# Altium PCB 电解水杯拼版6in1.PcbDoc (part 7 of 9)
Units mm, origin at the board's own origin, x right, y up, seen from the top; angles counter-clockwise.
Board outline 210 x 138 mm, 2 copper layers (Top Layer, Bottom Layer); 750 components, 0 nets, 2092 pads, 2070 vias.
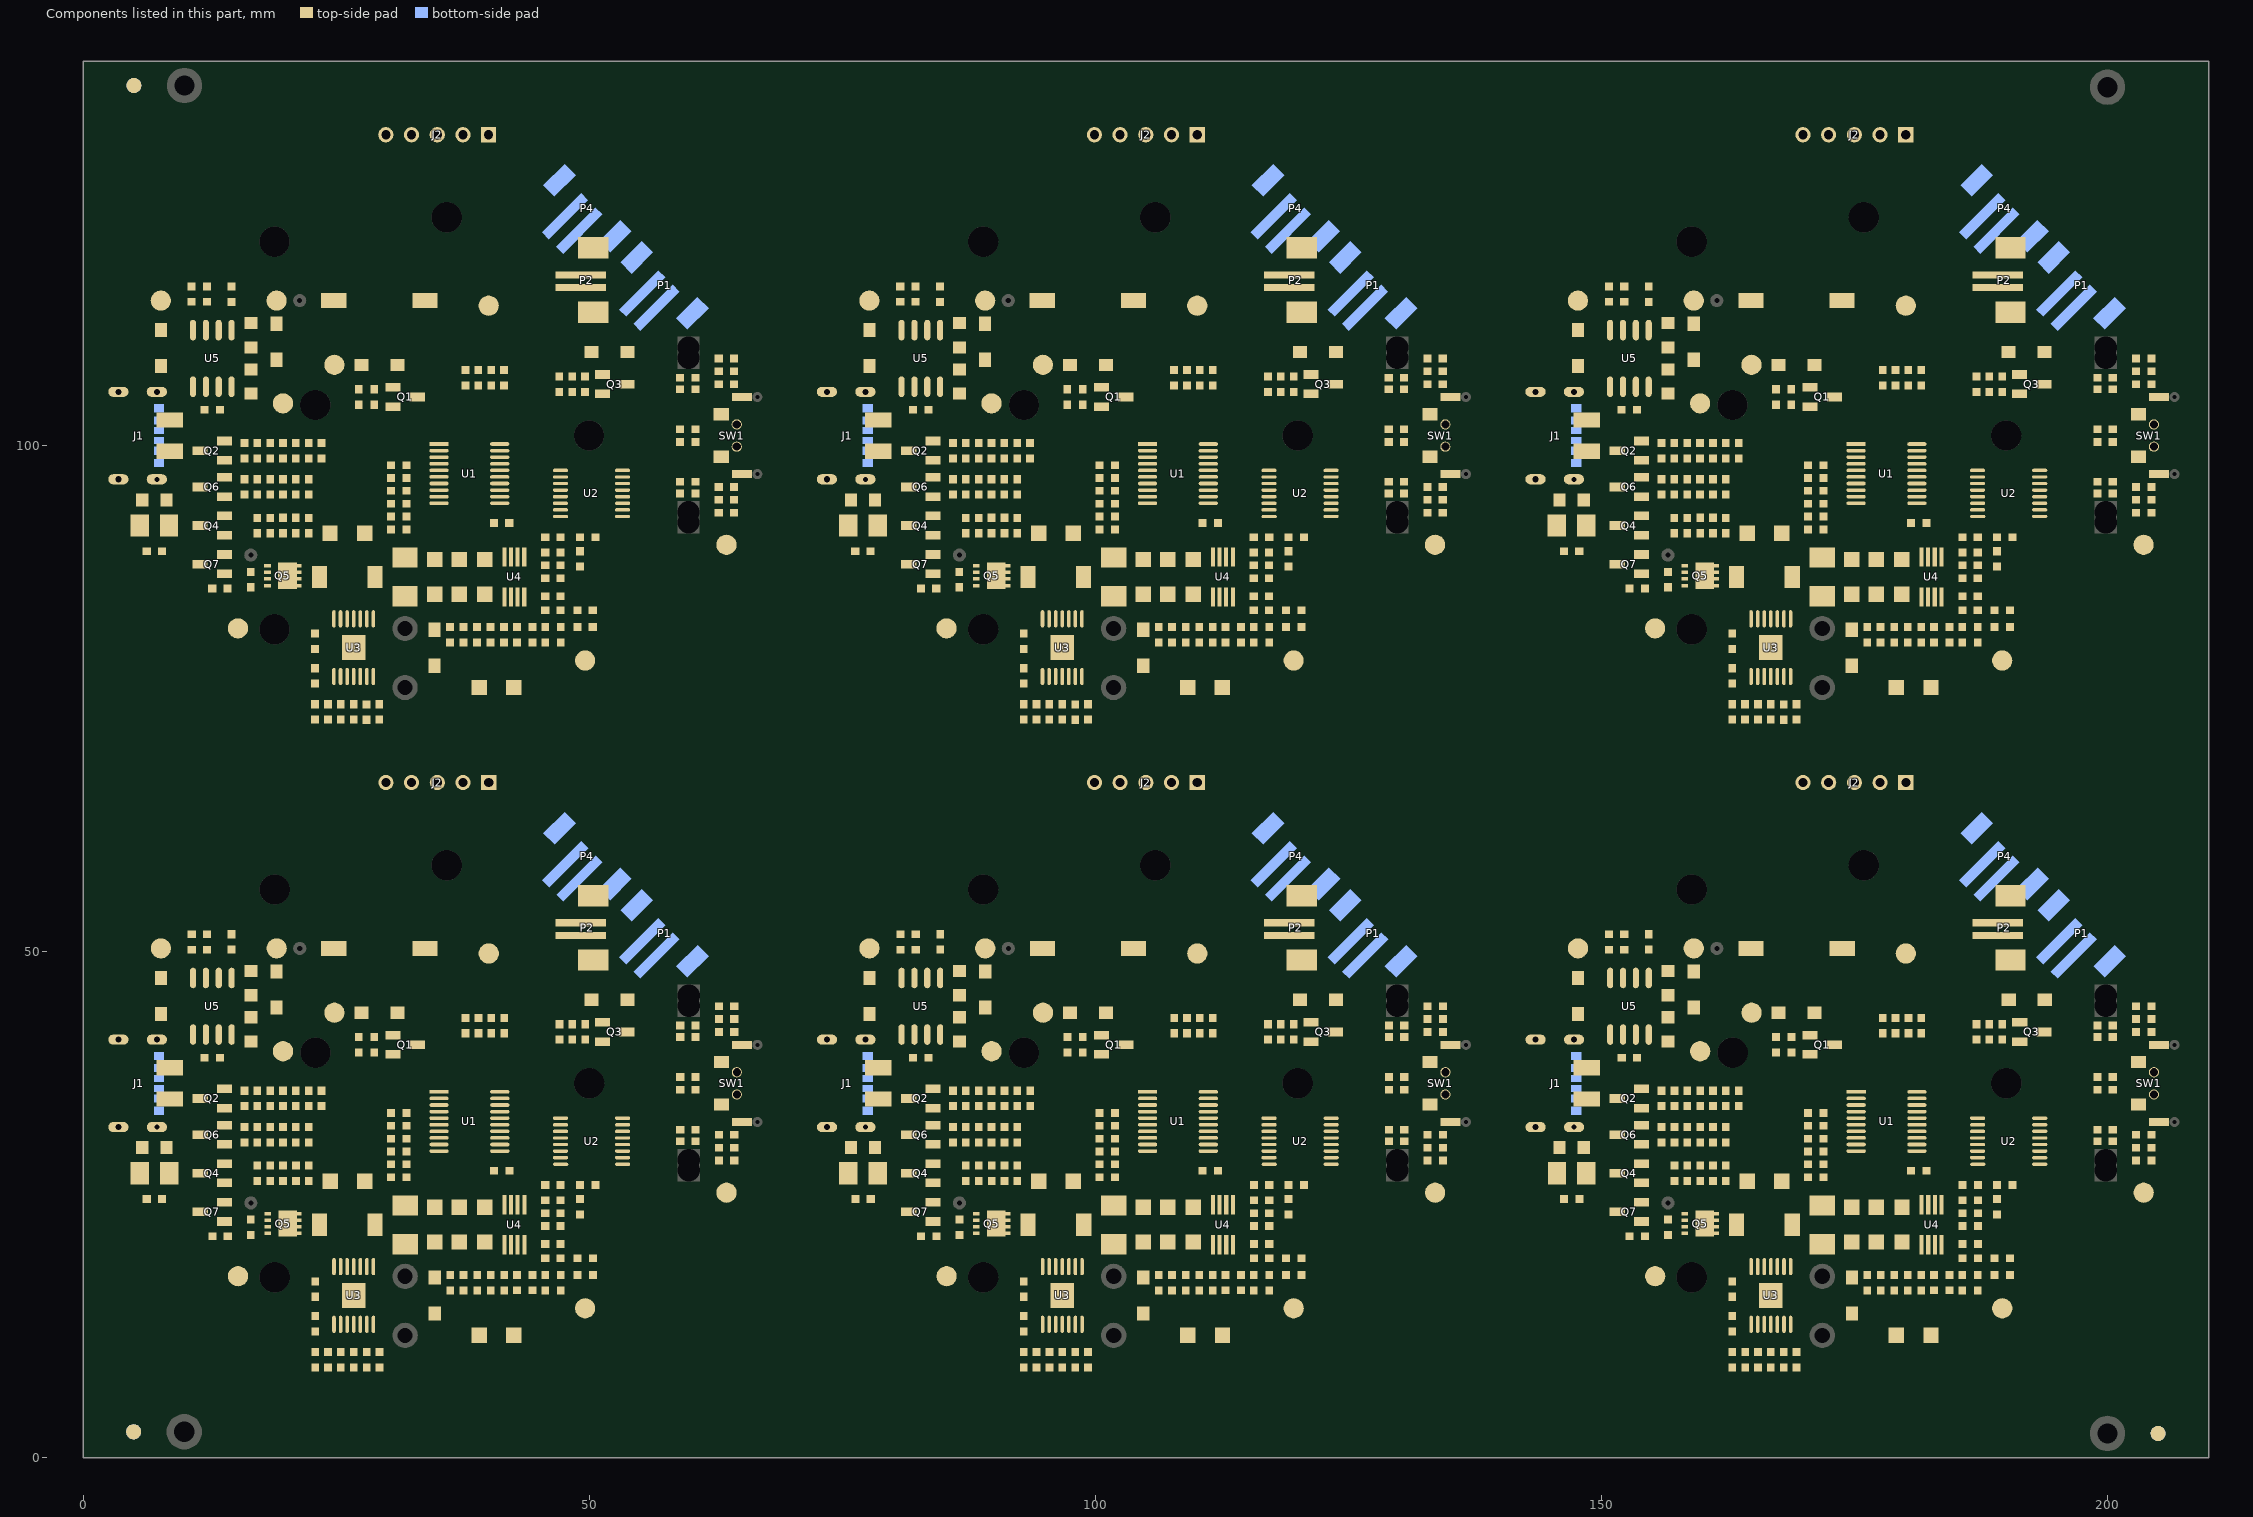
[diagram p7: the components of this part, seen from the top]

## Via types
v1: diameter 0.6, hole 0.3, Top Layer to Bottom Layer, 1968 vias
v2: diameter 0.8, hole 0.4, Top Layer to Bottom Layer, 102 vias

## Nets (pads, with @x,y where several pads share a name; then routed paths per layer and width w, separated by ;. In a path a pad name is that pad's centre, name@x,y a point inside that pad or via, vN(x,y) a via of type N, cw(c..) or ccw(c..) an arc to the next point about the centre after c; other vN are vias at no path point) (continued)
copper on no net: (continued)
  Top Layer w0.5: v2(5.401,111.414) 7.687,111.414 ; v2(5.407,47.414) 7.693,47.414 ; 6.835,111.414 ccw(c6.835,112.273) 7.442,111.665 ; 6.84,47.414 ccw(c6.84,48.273) 7.448,47.665 ; 6.854,111.414 cw(c6.854,110.583) 7.442,111.171 ; 6.86,47.414 cw(c6.86,46.583) 7.448,47.171 ; 7.157,113.805 cw(c5.876,112.524) 7.687,112.524 cw(c9.498,112.524) 8.217,113.805 ; 7.162,49.805 cw(c5.882,48.524) 7.693,48.524 cw(c9.503,48.524) 8.223,49.805 ; 7.442,111.765 ccw(c6.851,112.357) 7.687,112.357 ; 7.448,47.765 ccw(c6.856,48.357) 7.693,48.357 ; 7.687,112.369 ccw(c8.54,112.369) 7.937,111.765 ; 7.687,114.335 7.687,111.414 ; 7.693,48.369 ccw(c8.546,48.369) 7.942,47.765 ; 7.693,50.335 7.693,47.414 ; 7.937,111.171 cw(c8.525,110.583) 8.525,111.414 ; 7.937,111.665 ccw(c8.544,112.273) 8.544,111.414 ; 7.942,47.171 cw(c8.53,46.583) 8.53,47.414 ; 7.942,47.665 ccw(c8.55,48.273) 8.55,47.414 ; 8.005,94.368 cw(c7.407,93.77) 8.252,93.77 cw(c9.097,93.77) 8.5,94.368 ; 8.01,30.368 cw(c7.413,29.77) 8.258,29.77 cw(c9.103,29.77) 8.505,30.368 ; 8.042,92.77 ccw(c7.536,93.276) 8.252,93.276 ccw(c9.468,93.276) 8.608,92.416 ; 8.048,28.77 ccw(c7.542,29.276) 8.258,29.276 ccw(c9.473,29.276) 8.614,28.416 ; 8.077,94.312 cw(c7.713,93.681) 8.416,93.87 ; 8.083,30.312 cw(c7.718,29.681) 8.422,29.87 ; 8.252,92.36 8.252,94.65 ; 8.252,94.483 ccw(c10.675,94.483) 8.962,92.77 ; 8.258,28.36 8.258,30.65 ; 8.258,30.483 ccw(c10.68,30.483) 8.967,28.77 ; 8.459,93.71 cw(c9.388,93.959) 8.555,94.44 ; 8.465,29.71 cw(c9.394,29.959) 8.561,30.44 ; 8.502,92.11 10.227,92.11 ; 8.508,28.11 10.233,28.11 ; 8.58,99.476 11.567,99.476 ; 8.585,35.476 11.573,35.476 ; 8.962,91.65 cw(c10.071,90.541) 10.071,92.11 cw(c10.071,93.679) 8.962,92.57 ; 8.967,27.65 cw(c10.077,26.541) 10.077,28.11 cw(c10.077,29.679) 8.967,28.57 ; 9.457,99.096 cw(c10.374,98.18) 10.374,99.476 ; 9.457,99.804 ccw(c10.248,100.594) 10.248,99.476 ; 9.463,35.096 cw(c10.379,34.18) 10.379,35.476 ; 9.463,35.804 ccw(c10.254,36.594) 10.254,35.476 ; v2(10.227,85.056) 10.227,92.11 ; v2(10.233,21.056) 10.233,28.11 ; 10.735,99.476 ccw(c10.735,100.018) 11.118,99.635 ; 10.741,35.476 ccw(c10.741,36.018) 11.124,35.635 ; 10.812,92.11 ccw(c10.812,92.546) 11.121,92.238 ; 10.818,28.11 ccw(c10.818,28.546) 11.126,28.238 ; 10.862,111.414 7.687,111.414 ; 10.868,47.414 7.693,47.414 ; 11.567,92.11 10.227,92.11 ; 11.573,28.11 10.233,28.11 ; 13.402,102.651 13.402,105.826 13.402,107.35 ; 13.402,102.963 cw(c14.087,102.963) 13.603,103.447 ; 13.402,104.117 ccw(c14.087,104.117) 13.603,103.633 ; 13.408,38.651 13.408,41.826 13.408,43.35 ; 13.408,38.963 cw(c14.093,38.963) 13.608,39.447 ; 13.408,40.117 ccw(c14.093,40.117) 13.608,39.633 ; 14.155,92.872 v1(15.942,92.872) 17.212,92.872 ; 14.161,28.872 v1(15.948,28.872) 17.218,28.872 ; 18.482,96.682 v1(18.482,97.698) ; 18.482,98.749 19.752,98.749 v1(19.752,97.698) ; 18.482,100.238 18.482,100.273 v1(18.482,102.524) ; 18.488,32.682 v1(18.488,33.698) ; 18.488,34.749 19.758,34.749 v1(19.758,33.698) ; 18.488,36.238 18.488,36.273 v1(18.488,38.524) ; 22.292,92.872 21.022,92.872 21.022,95.158 22.292,95.158 v1(23.562,95.158) ; v1(22.292,97.698) 22.292,98.749 ; 22.298,28.872 21.028,28.872 21.028,31.158 22.298,31.158 v1(23.568,31.158) ; v1(22.298,33.698) 22.298,34.749 ; 22.927,78.013 21.657,78.013 ; 22.927,79.918 v1(24.832,79.918) ; 22.933,14.013 21.662,14.013 ; 22.933,15.918 v1(24.838,15.918) ; 24.705,83.22 22.165,83.22 21.657,82.712 21.657,78.013 ; 24.711,19.22 22.171,19.22 21.662,18.712 21.662,14.013 ; 25.467,72.934 25.467,71.156 ; 25.472,8.934 25.472,7.156 ; 26.737,72.934 26.737,71.156 ; 26.742,8.934 26.742,7.156 ; 28.007,71.156 28.007,72.922 ; 28.013,7.156 28.013,8.922 ; 28.769,104.048 30.429,104.048 ; 28.775,40.048 30.435,40.048 ; 29.277,72.934 29.277,71.156 ; 29.277,96.809 30.42,96.809 30.42,95.539 30.42,94.269 ; 29.282,8.934 29.282,7.156 ; 29.283,32.809 30.426,32.809 30.426,31.539 30.426,30.269 ; 29.416,104.048 cw(c29.416,102.984) 30.168,103.736 ; 29.421,40.048 cw(c29.421,38.984) 30.174,39.736 ; 31.055,107.985 32.89,107.985 ; 31.061,43.985 32.896,43.985 ; 31.403,107.738 cw(c32,107.14) 32,107.985 cw(c32,108.83) 31.403,108.232 ; 31.408,43.738 cw(c32.006,43.14) 32.006,43.985 cw(c32.006,44.83) 31.408,44.232 ; 31.944,92.999 v1(33.595,92.999) ; 31.944,94.269 31.944,95.539 ; 31.95,28.999 v1(33.601,28.999) ; 31.95,30.269 31.95,31.539 ; 33.017,104.81 33.017,113.575 ; 33.017,112.5 cw(c35.112,112.5) 33.631,113.981 ; 33.017,113.532 cw(c33.322,113.532) 33.305,113.836 ; 33.023,40.81 33.023,49.575 ; 33.023,48.5 cw(c35.117,48.5) 33.636,49.981 ; 33.023,49.532 cw(c33.327,49.532) 33.31,49.836 ; 34.986,81.676 cw(c35.955,80.706) 35.955,82.077 ; 34.991,17.676 cw(c35.96,16.706) 35.96,18.077 ; 34.992,82.077 36.262,82.077 37.596,82.077 ; 34.998,18.077 36.268,18.077 37.601,18.077 ; v1(40.263,79.41) 40.263,80.553 ; v1(40.268,15.41) 40.268,16.553 ; 44.39,80.553 v1(44.39,79.41) 44.39,72.172 43.374,71.156 29.277,71.156 ; 44.396,16.553 v1(44.396,15.41) 44.396,8.172 43.379,7.156 29.282,7.156 ; v2(44.517,85.056) 45.59,85.056 ; v2(44.522,21.056) 45.595,21.056 ; 45.156,85.056 ccw(c45.156,85.611) 45.548,85.218 ; 45.161,21.056 ccw(c45.161,21.611) 45.554,21.218 ; v1(45.406,109.255) 50.232,109.255 ; v1(45.412,45.255) 50.238,45.255 ; 45.66,83.729 45.66,85.126 ; 45.665,19.729 45.665,21.126 ; 47.184,83.856 47.184,85.126 v1(48.073,85.126) ; 47.189,19.856 47.189,21.126 v1(48.078,21.126) ; 49.885,109.008 ccw(c49.287,108.41) 49.287,109.255 ccw(c49.287,110.1) 49.885,109.502 ; 49.89,45.008 ccw(c49.293,44.41) 49.293,45.255 ccw(c49.293,46.1) 49.89,45.502 ; 53.541,109.008 cw(c52.943,108.41) 53.788,108.41 cw(c54.633,108.41) 54.036,109.008 ; 53.546,45.008 cw(c52.949,44.41) 53.794,44.41 cw(c54.639,44.41) 54.041,45.008 ; 53.594,106.204 ccw(c53.127,106.671) 53.788,106.671 ; 53.6,42.204 ccw(c53.132,42.671) 53.794,42.671 ; 53.788,106.08 v1(53.788,107.35) 53.788,108.874 ; 53.794,42.08 v1(53.794,43.35) 53.794,44.874 ; v2(75.401,111.414) 77.687,111.414 ; v2(75.407,47.414) 77.693,47.414 ; 76.835,111.414 ccw(c76.835,112.273) 77.442,111.665 ; 76.84,47.414 ccw(c76.84,48.273) 77.448,47.665 ; 76.854,111.414 cw(c76.854,110.583) 77.442,111.171 ; 76.86,47.414 cw(c76.86,46.583) 77.448,47.171 ; 77.157,113.805 cw(c75.876,112.524) 77.687,112.524 cw(c79.498,112.524) 78.217,113.805 ; 77.162,49.805 cw(c75.882,48.524) 77.693,48.524 cw(c79.503,48.524) 78.223,49.805 ; 77.442,111.765 ccw(c76.851,112.357) 77.687,112.357 ; 77.448,47.765 ccw(c76.856,48.357) 77.693,48.357 ; 77.687,112.369 ccw(c78.54,112.369) 77.937,111.765 ; 77.687,114.335 77.687,111.414 ; 77.693,48.369 ccw(c78.546,48.369) 77.942,47.765 ; 77.693,50.335 77.693,47.414 ; 77.937,111.171 cw(c78.525,110.583) 78.525,111.414 ; 77.937,111.665 ccw(c78.544,112.273) 78.544,111.414 ; 77.942,47.171 cw(c78.53,46.583) 78.53,47.414 ; 77.942,47.665 ccw(c78.55,48.273) 78.55,47.414 ; 78.005,94.368 cw(c77.407,93.77) 78.252,93.77 cw(c79.097,93.77) 78.5,94.368 ; 78.01,30.368 cw(c77.413,29.77) 78.258,29.77 cw(c79.103,29.77) 78.505,30.368 ; 78.042,92.77 ccw(c77.536,93.276) 78.252,93.276 ccw(c79.468,93.276) 78.608,92.416 ; 78.048,28.77 ccw(c77.542,29.276) 78.258,29.276 ccw(c79.473,29.276) 78.614,28.416 ; 78.077,94.312 cw(c77.713,93.681) 78.416,93.87 ; 78.083,30.312 cw(c77.718,29.681) 78.422,29.87 ; 78.252,92.36 78.252,94.65 ; 78.252,94.483 ccw(c80.675,94.483) 78.962,92.77 ; 78.258,28.36 78.258,30.65 ; 78.258,30.483 ccw(c80.68,30.483) 78.967,28.77 ; 78.459,93.71 cw(c79.388,93.959) 78.555,94.44 ; 78.465,29.71 cw(c79.394,29.959) 78.561,30.44 ; 78.502,92.11 80.227,92.11 ; 78.508,28.11 80.233,28.11 ; 78.58,99.476 81.567,99.476 ; 78.585,35.476 81.573,35.476 ; 78.962,91.65 cw(c80.071,90.541) 80.071,92.11 cw(c80.071,93.679) 78.962,92.57 ; 78.967,27.65 cw(c80.077,26.541) 80.077,28.11 cw(c80.077,29.679) 78.967,28.57 ; 79.457,99.096 cw(c80.374,98.18) 80.374,99.476 ; 79.457,99.804 ccw(c80.248,100.594) 80.248,99.476 ; 79.463,35.096 cw(c80.379,34.18) 80.379,35.476 ; 79.463,35.804 ccw(c80.254,36.594) 80.254,35.476 ; v2(80.227,85.056) 80.227,92.11 ; v2(80.233,21.056) 80.233,28.11 ; 80.735,99.476 ccw(c80.735,100.018) 81.118,99.635 ; 80.741,35.476 ccw(c80.741,36.018) 81.124,35.635 ; 80.812,92.11 ccw(c80.812,92.546) 81.121,92.238 ; 80.818,28.11 ccw(c80.818,28.546) 81.126,28.238 ; 80.862,111.414 77.687,111.414 ; 80.868,47.414 77.693,47.414 ; 81.567,92.11 80.227,92.11 ; 81.573,28.11 80.233,28.11 ; 83.402,102.651 83.402,105.826 83.402,107.35 ; 83.402,102.963 cw(c84.087,102.963) 83.603,103.447 ; 83.402,104.117 ccw(c84.087,104.117) 83.603,103.633 ; 83.408,38.651 83.408,41.826 83.408,43.35 ; 83.408,38.963 cw(c84.093,38.963) 83.608,39.447 ; 83.408,40.117 ccw(c84.093,40.117) 83.608,39.633 ; 84.155,92.872 v1(85.942,92.872) 87.212,92.872 ; 84.161,28.872 v1(85.948,28.872) 87.218,28.872 ; 88.482,96.682 v1(88.482,97.698) ; 88.482,98.749 89.752,98.749 v1(89.752,97.698) ; 88.482,100.238 88.482,100.273 v1(88.482,102.524) ; 88.488,32.682 v1(88.488,33.698) ; 88.488,34.749 89.758,34.749 v1(89.758,33.698) ; 88.488,36.238 88.488,36.273 v1(88.488,38.524) ; 92.292,92.872 91.022,92.872 91.022,95.158 92.292,95.158 v1(93.562,95.158) ; v1(92.292,97.698) 92.292,98.749 ; 92.298,28.872 91.028,28.872 91.028,31.158 92.298,31.158 v1(93.568,31.158) ; v1(92.298,33.698) 92.298,34.749 ; 92.927,78.013 91.657,78.013 ; 92.927,79.918 v1(94.832,79.918) ; 92.933,14.013 91.662,14.013 ; 92.933,15.918 v1(94.838,15.918) ; 94.705,83.22 92.165,83.22 91.657,82.712 91.657,78.013 ; 94.711,19.22 92.171,19.22 91.662,18.712 91.662,14.013 ; 95.467,72.934 95.467,71.156 ; 95.472,8.934 95.472,7.156 ; 96.737,72.934 96.737,71.156 ; 96.742,8.934 96.742,7.156 ; 98.007,71.156 98.007,72.922 ; 98.013,7.156 98.013,8.922 ; 98.769,104.048 100.429,104.048 ; 98.775,40.048 100.435,40.048 ; 99.277,72.934 99.277,71.156 ; 99.277,96.809 100.42,96.809 100.42,95.539 100.42,94.269 ; 99.282,8.934 99.282,7.156 ; 99.283,32.809 100.426,32.809 100.426,31.539 100.426,30.269 ; 99.416,104.048 cw(c99.416,102.984) 100.168,103.736 ; 99.421,40.048 cw(c99.421,38.984) 100.174,39.736 ; 101.055,107.985 102.89,107.985 ; 101.061,43.985 102.896,43.985 ; 101.403,107.738 cw(c102,107.14) 102,107.985 cw(c102,108.83) 101.403,108.232 ; 101.408,43.738 cw(c102.006,43.14) 102.006,43.985 cw(c102.006,44.83) 101.408,44.232 ; 101.944,92.999 v1(103.595,92.999) ; 101.944,94.269 101.944,95.539 ; 101.95,28.999 v1(103.601,28.999) ; 101.95,30.269 101.95,31.539 ; 103.017,104.81 103.017,113.575 ; 103.017,112.5 cw(c105.112,112.5) 103.631,113.981 ; 103.017,113.532 cw(c103.322,113.532) 103.305,113.836 ; 103.023,40.81 103.023,49.575 ; 103.023,48.5 cw(c105.117,48.5) 103.636,49.981 ; 103.023,49.532 cw(c103.327,49.532) 103.31,49.836 ; 104.986,81.676 cw(c105.955,80.706) 105.955,82.077 ; 104.991,17.676 cw(c105.96,16.706) 105.96,18.077 ; 104.992,82.077 106.262,82.077 107.596,82.077 ; 104.998,18.077 106.268,18.077 107.601,18.077 ; v1(110.263,79.41) 110.263,80.553 ; v1(110.268,15.41) 110.268,16.553 ; 114.39,80.553 v1(114.39,79.41) 114.39,72.172 113.374,71.156 99.277,71.156 ; 114.396,16.553 v1(114.396,15.41) 114.396,8.172 113.379,7.156 99.282,7.156 ; v2(114.517,85.056) 115.59,85.056 ; v2(114.522,21.056) 115.595,21.056 ; 115.156,85.056 ccw(c115.156,85.611) 115.548,85.218 ; 115.161,21.056 ccw(c115.161,21.611) 115.554,21.218 ; v1(115.406,109.255) 120.232,109.255 ; v1(115.412,45.255) 120.238,45.255 ; 115.66,83.729 115.66,85.126 ; 115.665,19.729 115.665,21.126 ; 117.184,83.856 117.184,85.126 v1(118.073,85.126) ; 117.189,19.856 117.189,21.126 v1(118.078,21.126) ; 119.885,109.008 ccw(c119.287,108.41) 119.287,109.255 ccw(c119.287,110.1) 119.885,109.502 ; 119.89,45.008 ccw(c119.293,44.41) 119.293,45.255 ccw(c119.293,46.1) 119.89,45.502 ; 123.541,109.008 cw(c122.943,108.41) 123.788,108.41 cw(c124.633,108.41) 124.036,109.008 ; 123.546,45.008 cw(c122.949,44.41) 123.794,44.41 cw(c124.639,44.41) 124.041,45.008 ; 123.594,106.204 ccw(c123.127,106.671) 123.788,106.671 ; 123.6,42.204 ccw(c123.132,42.671) 123.794,42.671 ; 123.788,106.08 v1(123.788,107.35) 123.788,108.874 ; 123.794,42.08 v1(123.794,43.35) 123.794,44.874 ; v2(145.401,111.414) 147.687,111.414 ; v2(145.407,47.414) 147.693,47.414 ; 146.835,111.414 ccw(c146.835,112.273) 147.442,111.665 ; 146.84,47.414 ccw(c146.84,48.273) 147.448,47.665 ; 146.854,111.414 cw(c146.854,110.583) 147.442,111.171 ; 146.86,47.414 cw(c146.86,46.583) 147.448,47.171 ; 147.157,113.805 cw(c145.876,112.524) 147.687,112.524 cw(c149.498,112.524) 148.217,113.805 ; 147.162,49.805 cw(c145.882,48.524) 147.693,48.524 cw(c149.503,48.524) 148.223,49.805 ; 147.442,111.765 ccw(c146.851,112.357) 147.687,112.357 ; 147.448,47.765 ccw(c146.856,48.357) 147.693,48.357 ; 147.687,112.369 ccw(c148.54,112.369) 147.937,111.765 ; 147.687,114.335 147.687,111.414 ; 147.693,48.369 ccw(c148.546,48.369) 147.942,47.765 ; 147.693,50.335 147.693,47.414 ; 147.937,111.171 cw(c148.525,110.583) 148.525,111.414 ; 147.937,111.665 ccw(c148.544,112.273) 148.544,111.414 ; 147.942,47.171 cw(c148.53,46.583) 148.53,47.414 ; 147.942,47.665 ccw(c148.55,48.273) 148.55,47.414 ; 148.005,94.368 cw(c147.407,93.77) 148.252,93.77 cw(c149.097,93.77) 148.5,94.368 ; 148.01,30.368 cw(c147.413,29.77) 148.258,29.77 cw(c149.103,29.77) 148.505,30.368 ; 148.042,92.77 ccw(c147.536,93.276) 148.252,93.276 ccw(c149.468,93.276) 148.608,92.416 ; 148.048,28.77 ccw(c147.542,29.276) 148.258,29.276 ccw(c149.473,29.276) 148.614,28.416 ; 148.077,94.312 cw(c147.713,93.681) 148.416,93.87 ; 148.083,30.312 cw(c147.718,29.681) 148.422,29.87 ; 148.252,92.36 148.252,94.65 ; 148.252,94.483 ccw(c150.675,94.483) 148.962,92.77 ; 148.258,28.36 148.258,30.65 ; 148.258,30.483 ccw(c150.68,30.483) 148.967,28.77 ; 148.459,93.71 cw(c149.388,93.959) 148.555,94.44 ; 148.465,29.71 cw(c149.394,29.959) 148.561,30.44 ; 148.502,92.11 150.227,92.11 ; 148.508,28.11 150.233,28.11 ; 148.58,99.476 151.567,99.476 ; 148.585,35.476 151.573,35.476 ; 148.962,91.65 cw(c150.071,90.541) 150.071,92.11 cw(c150.071,93.679) 148.962,92.57 ; 148.967,27.65 cw(c150.077,26.541) 150.077,28.11 cw(c150.077,29.679) 148.967,28.57 ; 149.457,99.096 cw(c150.374,98.18) 150.374,99.476 ; 149.457,99.804 ccw(c150.248,100.594) 150.248,99.476 ; 149.463,35.096 cw(c150.379,34.18) 150.379,35.476 ; 149.463,35.804 ccw(c150.254,36.594) 150.254,35.476 ; v2(150.227,85.056) 150.227,92.11 ; v2(150.233,21.056) 150.233,28.11 ; 150.735,99.476 ccw(c150.735,100.018) 151.118,99.635 ; 150.741,35.476 ccw(c150.741,36.018) 151.124,35.635 ; 150.812,92.11 ccw(c150.812,92.546) 151.121,92.238 ; 150.818,28.11 ccw(c150.818,28.546) 151.126,28.238 ; 150.862,111.414 147.687,111.414 ; 150.868,47.414 147.693,47.414 ; 151.567,92.11 150.227,92.11 ; 151.573,28.11 150.233,28.11 ; 153.402,102.651 153.402,105.826 153.402,107.35 ; 153.402,102.963 cw(c154.087,102.963) 153.603,103.447 ; 153.402,104.117 ccw(c154.087,104.117) 153.603,103.633 ; 153.408,38.651 153.408,41.826 153.408,43.35 ; 153.408,38.963 cw(c154.093,38.963) 153.608,39.447 ; 153.408,40.117 ccw(c154.093,40.117) 153.608,39.633 ; 154.155,92.872 v1(155.942,92.872) 157.212,92.872 ; 154.161,28.872 v1(155.948,28.872) 157.218,28.872 ; 158.482,96.682 v1(158.482,97.698) ; 158.482,98.749 159.752,98.749 v1(159.752,97.698) ; 158.482,100.238 158.482,100.273 v1(158.482,102.524) ; 158.488,32.682 v1(158.488,33.698) ; 158.488,34.749 159.758,34.749 v1(159.758,33.698) ; 158.488,36.238 158.488,36.273 v1(158.488,38.524) ; 162.292,92.872 161.022,92.872 161.022,95.158 162.292,95.158 v1(163.562,95.158) ; v1(162.292,97.698) 162.292,98.749 ; 162.298,28.872 161.028,28.872 161.028,31.158 162.298,31.158 v1(163.568,31.158) ; v1(162.298,33.698) 162.298,34.749 ; 162.927,78.013 161.657,78.013 ; 162.927,79.918 v1(164.832,79.918) ; 162.933,14.013 161.662,14.013 ; 162.933,15.918 v1(164.838,15.918) ; 164.705,83.22 162.165,83.22 161.657,82.712 161.657,78.013 ; 164.711,19.22 162.171,19.22 161.662,18.712 161.662,14.013 ; 165.467,72.934 165.467,71.156 ; 165.472,8.934 165.472,7.156 ; 166.737,72.934 166.737,71.156 ; 166.742,8.934 166.742,7.156 ; 168.007,71.156 168.007,72.922 ; 168.013,7.156 168.013,8.922 ; 168.769,104.048 170.429,104.048 ; 168.775,40.048 170.435,40.048 ; 169.277,72.934 169.277,71.156 ; 169.277,96.809 170.42,96.809 170.42,95.539 170.42,94.269 ; 169.282,8.934 169.282,7.156 ; 169.283,32.809 170.426,32.809 170.426,31.539 170.426,30.269 ; 169.416,104.048 cw(c169.416,102.984) 170.168,103.736 ; 169.421,40.048 cw(c169.421,38.984) 170.174,39.736 ; 171.055,107.985 172.89,107.985 ; 171.061,43.985 172.896,43.985 ; 171.403,107.738 cw(c172,107.14) 172,107.985 cw(c172,108.83) 171.403,108.232 ; 171.408,43.738 cw(c172.006,43.14) 172.006,43.985 cw(c172.006,44.83) 171.408,44.232 ; 171.944,92.999 v1(173.595,92.999) ; 171.944,94.269 171.944,95.539 ; 171.95,28.999 v1(173.601,28.999) ; 171.95,30.269 171.95,31.539 ; 173.017,104.81 173.017,113.575 ; 173.017,112.5 cw(c175.112,112.5) 173.631,113.981 ; 173.017,113.532 cw(c173.322,113.532) 173.305,113.836 ; 173.023,40.81 173.023,49.575 ; 173.023,48.5 cw(c175.117,48.5) 173.636,49.981 ; 173.023,49.532 cw(c173.327,49.532) 173.31,49.836 ; 174.986,81.676 cw(c175.955,80.706) 175.955,82.077 ; 174.991,17.676 cw(c175.96,16.706) 175.96,18.077 ; 174.992,82.077 176.262,82.077 177.596,82.077 ; 174.998,18.077 176.268,18.077 177.601,18.077 ; v1(180.263,79.41) 180.263,80.553 ; v1(180.268,15.41) 180.268,16.553 ; 184.39,80.553 v1(184.39,79.41) 184.39,72.172 183.374,71.156 169.277,71.156 ; 184.396,16.553 v1(184.396,15.41) 184.396,8.172 183.379,7.156 169.282,7.156 ; v2(184.517,85.056) 185.59,85.056 ; v2(184.522,21.056) 185.595,21.056 ; 185.156,85.056 ccw(c185.156,85.611) 185.548,85.218 ; 185.161,21.056 ccw(c185.161,21.611) 185.554,21.218 ; v1(185.406,109.255) 190.232,109.255 ; v1(185.412,45.255) 190.238,45.255 ; 185.66,83.729 185.66,85.126 ; 185.665,19.729 185.665,21.126 ; 187.184,83.856 187.184,85.126 v1(188.073,85.126) ; 187.189,19.856 187.189,21.126 v1(188.078,21.126) ; 189.885,109.008 ccw(c189.287,108.41) 189.287,109.255 ccw(c189.287,110.1) 189.885,109.502 ; 189.89,45.008 ccw(c189.293,44.41) 189.293,45.255 ccw(c189.293,46.1) 189.89,45.502 ; 193.541,109.008 cw(c192.943,108.41) 193.788,108.41 cw(c194.633,108.41) 194.036,109.008 ; 193.546,45.008 cw(c192.949,44.41) 193.794,44.41 cw(c194.639,44.41) 194.041,45.008 ; 193.594,106.204 ccw(c193.127,106.671) 193.788,106.671 ; 193.6,42.204 ccw(c193.132,42.671) 193.794,42.671 ; 193.788,106.08 v1(193.788,107.35) 193.788,108.874 ; 193.794,42.08 v1(193.794,43.35) 193.794,44.874 ; 21.657,78.013 21.657,74.458 21.657,72.299 22.8,71.156 25.467,71.156 ; 21.662,14.013 21.662,10.458 21.662,8.299 22.806,7.156 25.472,7.156 ; 25.467,71.156 26.737,71.156 ; 25.472,7.156 26.742,7.156 ; 26.737,71.156 29.277,71.156 ; 26.742,7.156 29.282,7.156 ; 91.657,78.013 91.657,74.458 91.657,72.299 92.8,71.156 95.467,71.156 ; 91.662,14.013 91.662,10.458 91.662,8.299 92.806,7.156 95.472,7.156 ; 95.467,71.156 96.737,71.156 ; 95.472,7.156 96.742,7.156 ; 96.737,71.156 99.277,71.156 ; 96.742,7.156 99.282,7.156 ; 161.657,78.013 161.657,74.458 161.657,72.299 162.8,71.156 165.467,71.156 ; 161.662,14.013 161.662,10.458 161.662,8.299 162.806,7.156 165.472,7.156 ; 165.467,71.156 166.737,71.156 ; 165.472,7.156 166.742,7.156 ; 166.737,71.156 169.277,71.156 ; 166.742,7.156 169.282,7.156
  Top Layer w0.8: 14.672,111.414 14.672,114.208 ; 14.675,112.11 16.58,112.11 ; 14.678,47.414 14.678,50.208 ; 14.68,48.11 16.585,48.11 ; 65.091,97.201 66.604,97.201 ; 65.091,104.801 66.606,104.801 ; 65.096,33.201 66.61,33.201 ; 65.096,40.801 66.611,40.801 ; 84.672,111.414 84.672,114.208 ; 84.675,112.11 86.58,112.11 ; 84.678,47.414 84.678,50.208 ; 84.68,48.11 86.585,48.11 ; 135.091,97.201 136.604,97.201 ; 135.091,104.801 136.606,104.801 ; 135.096,33.201 136.61,33.201 ; 135.096,40.801 136.611,40.801 ; 154.672,111.414 154.672,114.208 ; 154.675,112.11 156.58,112.11 ; 154.678,47.414 154.678,50.208 ; 154.68,48.11 156.585,48.11 ; 205.091,97.201 206.604,97.201 ; 205.091,104.801 206.606,104.801 ; 205.096,33.201 206.61,33.201 ; 205.096,40.801 206.611,40.801
  Top Layer w1: 16.637,112.053 19.12,112.053 ; 16.642,48.053 19.125,48.053 ; 18.766,113.985 cw(c17.912,113.132) 19.12,113.132 cw(c20.327,113.132) 19.473,113.985 cw(c20.317,113.142) 20.317,114.335 ; 18.771,49.985 cw(c17.918,49.132) 19.125,49.132 cw(c20.332,49.132) 19.479,49.985 cw(c20.322,49.142) 20.322,50.335 ; 19.473,114.693 ccw(c20.336,115.556) 20.336,114.335 ; 19.479,50.693 ccw(c20.342,51.556) 20.342,50.335 ; 23.175,87.557 ccw(c20.217,90.515) 24.4,90.515 ; 23.18,23.557 ccw(c20.223,26.515) 24.406,26.515 ; 23.882,86.85 ccw(c22.631,88.101) 24.4,88.101 ; 23.888,22.85 ccw(c22.637,24.101) 24.406,24.101 ; 24.4,86.471 24.4,91.348 ; 24.406,22.471 24.406,27.348 ; 31.055,85.253 34.738,85.253 ; 31.06,21.253 34.744,21.253 ; 31.287,82.47 ccw(c30.006,83.75) 31.817,83.75 ccw(c33.628,83.75) 32.347,82.47 ; 31.292,18.47 ccw(c30.012,19.75) 31.823,19.75 ccw(c33.633,19.75) 32.353,18.47 ; 31.464,84.761 cw(c30.61,83.908) 31.817,83.908 cw(c33.024,83.908) 32.171,84.761 ; 31.469,20.761 cw(c30.615,19.908) 31.823,19.908 cw(c33.03,19.908) 32.176,20.761 ; 31.817,76.108 39.132,76.108 ; 31.817,81.94 31.817,85.115 ; 31.823,12.108 39.138,12.108 ; 31.823,17.94 31.823,21.115 ; 32.347,75.578 cw(c33.628,74.297) 33.628,76.108 cw(c33.628,77.919) 32.347,76.638 ; 32.353,11.578 cw(c33.633,10.297) 33.633,12.108 cw(c33.633,13.919) 32.353,12.638 ; 32.421,84.761 cw(c33.607,83.576) 33.607,85.253 ; 32.426,20.761 cw(c33.612,19.576) 33.612,21.253 ; 33.923,85.253 ccw(c33.923,86.143) 34.553,85.513 ; 33.929,21.253 ccw(c33.929,22.143) 34.558,21.513 ; 34.738,81.823 34.738,85.253 ; 34.738,85.328 34.738,85.253 ; 34.744,17.823 34.744,21.253 ; 34.744,21.328 34.744,21.253 ; 34.923,85.513 ccw(c35.553,86.143) 35.553,85.253 ; 34.929,21.513 ccw(c35.558,22.143) 35.558,21.253 ; 36.336,85.253 ccw(c36.336,86.143) 36.966,85.513 ; 36.342,21.253 ccw(c36.342,22.143) 36.971,21.513 ; 37.336,85.513 ccw(c37.966,86.143) 37.966,85.253 ; 37.342,21.513 ccw(c37.971,22.143) 37.971,21.253 ; 38.876,85.253 ccw(c38.876,86.143) 39.506,85.513 ; 38.882,21.253 ccw(c38.882,22.143) 39.511,21.513 ; 39.31,85.253 34.738,85.253 ; 39.316,21.253 34.744,21.253 ; v1@42.561,74.127 42.561,76.108 ; v1@42.567,10.127 42.567,12.108 ; 86.637,112.053 89.12,112.053 ; 86.642,48.053 89.125,48.053 ; 88.766,113.985 cw(c87.912,113.132) 89.12,113.132 cw(c90.327,113.132) 89.473,113.985 cw(c90.317,113.142) 90.317,114.335 ; 88.771,49.985 cw(c87.918,49.132) 89.125,49.132 cw(c90.332,49.132) 89.479,49.985 cw(c90.322,49.142) 90.322,50.335 ; 89.473,114.693 ccw(c90.336,115.556) 90.336,114.335 ; 89.479,50.693 ccw(c90.342,51.556) 90.342,50.335 ; 93.175,87.557 ccw(c90.217,90.515) 94.4,90.515 ; 93.18,23.557 ccw(c90.223,26.515) 94.406,26.515 ; 93.882,86.85 ccw(c92.631,88.101) 94.4,88.101 ; 93.888,22.85 ccw(c92.637,24.101) 94.406,24.101 ; 94.4,86.471 94.4,91.348 ; 94.406,22.471 94.406,27.348 ; 101.055,85.253 104.738,85.253 ; 101.06,21.253 104.744,21.253 ; 101.287,82.47 ccw(c100.006,83.75) 101.817,83.75 ccw(c103.628,83.75) 102.347,82.47 ; 101.292,18.47 ccw(c100.012,19.75) 101.823,19.75 ccw(c103.633,19.75) 102.353,18.47 ; 101.464,84.761 cw(c100.61,83.908) 101.817,83.908 cw(c103.024,83.908) 102.171,84.761 ; 101.469,20.761 cw(c100.615,19.908) 101.823,19.908 cw(c103.03,19.908) 102.176,20.761 ; 101.817,76.108 109.132,76.108 ; 101.817,81.94 101.817,85.115 ; 101.823,12.108 109.138,12.108 ; 101.823,17.94 101.823,21.115 ; 102.347,75.578 cw(c103.628,74.297) 103.628,76.108 cw(c103.628,77.919) 102.347,76.638 ; 102.353,11.578 cw(c103.633,10.297) 103.633,12.108 cw(c103.633,13.919) 102.353,12.638 ; 102.421,84.761 cw(c103.607,83.576) 103.607,85.253 ; 102.426,20.761 cw(c103.612,19.576) 103.612,21.253 ; 103.923,85.253 ccw(c103.923,86.143) 104.553,85.513 ; 103.929,21.253 ccw(c103.929,22.143) 104.558,21.513 ; 104.738,81.823 104.738,85.253 ; 104.738,85.328 104.738,85.253 ; 104.744,17.823 104.744,21.253 ; 104.744,21.328 104.744,21.253 ; 104.923,85.513 ccw(c105.553,86.143) 105.553,85.253 ; 104.929,21.513 ccw(c105.558,22.143) 105.558,21.253 ; 106.336,85.253 ccw(c106.336,86.143) 106.966,85.513 ; 106.342,21.253 ccw(c106.342,22.143) 106.971,21.513 ; 107.336,85.513 ccw(c107.966,86.143) 107.966,85.253 ; 107.342,21.513 ccw(c107.971,22.143) 107.971,21.253 ; 108.876,85.253 ccw(c108.876,86.143) 109.506,85.513 ; 108.882,21.253 ccw(c108.882,22.143) 109.511,21.513 ; 109.31,85.253 104.738,85.253 ; 109.316,21.253 104.744,21.253 ; v1@112.561,74.127 112.561,76.108 ; v1@112.567,10.127 112.567,12.108 ; 156.637,112.053 159.12,112.053 ; 156.642,48.053 159.125,48.053 ; 158.766,113.985 cw(c157.912,113.132) 159.12,113.132 cw(c160.327,113.132) 159.473,113.985 cw(c160.317,113.142) 160.317,114.335 ; 158.771,49.985 cw(c157.918,49.132) 159.125,49.132 cw(c160.332,49.132) 159.479,49.985 cw(c160.322,49.142) 160.322,50.335 ; 159.473,114.693 ccw(c160.336,115.556) 160.336,114.335 ; 159.479,50.693 ccw(c160.342,51.556) 160.342,50.335 ; 163.175,87.557 ccw(c160.217,90.515) 164.4,90.515 ; 163.18,23.557 ccw(c160.223,26.515) 164.406,26.515 ; 163.882,86.85 ccw(c162.631,88.101) 164.4,88.101 ; 163.888,22.85 ccw(c162.637,24.101) 164.406,24.101 ; 164.4,86.471 164.4,91.348 ; 164.406,22.471 164.406,27.348 ; 171.055,85.253 174.738,85.253 ; 171.06,21.253 174.744,21.253 ; 171.287,82.47 ccw(c170.006,83.75) 171.817,83.75 ccw(c173.628,83.75) 172.347,82.47 ; 171.292,18.47 ccw(c170.012,19.75) 171.823,19.75 ccw(c173.633,19.75) 172.353,18.47 ; 171.464,84.761 cw(c170.61,83.908) 171.817,83.908 cw(c173.024,83.908) 172.171,84.761 ; 171.469,20.761 cw(c170.615,19.908) 171.823,19.908 cw(c173.03,19.908) 172.176,20.761 ; 171.817,76.108 179.132,76.108 ; 171.817,81.94 171.817,85.115 ; 171.823,12.108 179.138,12.108 ; 171.823,17.94 171.823,21.115 ; 172.347,75.578 cw(c173.628,74.297) 173.628,76.108 cw(c173.628,77.919) 172.347,76.638 ; 172.353,11.578 cw(c173.633,10.297) 173.633,12.108 cw(c173.633,13.919) 172.353,12.638 ; 172.421,84.761 cw(c173.607,83.576) 173.607,85.253 ; 172.426,20.761 cw(c173.612,19.576) 173.612,21.253 ; 173.923,85.253 ccw(c173.923,86.143) 174.553,85.513 ; 173.929,21.253 ccw(c173.929,22.143) 174.558,21.513 ; 174.738,81.823 174.738,85.253 ; 174.738,85.328 174.738,85.253 ; 174.744,17.823 174.744,21.253 ; 174.744,21.328 174.744,21.253 ; 174.923,85.513 ccw(c175.553,86.143) 175.553,85.253 ; 174.929,21.513 ccw(c175.558,22.143) 175.558,21.253 ; 176.336,85.253 ccw(c176.336,86.143) 176.966,85.513 ; 176.342,21.253 ccw(c176.342,22.143) 176.971,21.513 ; 177.336,85.513 ccw(c177.966,86.143) 177.966,85.253 ; 177.342,21.513 ccw(c177.971,22.143) 177.971,21.253 ; 178.876,85.253 ccw(c178.876,86.143) 179.506,85.513 ; 178.882,21.253 ccw(c178.882,22.143) 179.511,21.513 ; 179.31,85.253 174.738,85.253 ; 179.316,21.253 174.744,21.253 ; v1@182.561,74.127 182.561,76.108 ; v1@182.567,10.127 182.567,12.108
  Top Layer w1.3: 19.12,112.053 19.12,114.339 ; 19.124,114.335 21.403,114.335 ; 19.125,48.053 19.125,50.339 ; 19.129,50.335 21.409,50.335 ; 89.12,112.053 89.12,114.339 ; 89.124,114.335 91.403,114.335 ; 89.125,48.053 89.125,50.339 ; 89.129,50.335 91.409,50.335 ; 159.12,112.053 159.12,114.339 ; 159.124,114.335 161.403,114.335 ; 159.125,48.053 159.125,50.339 ; 159.129,50.335 161.409,50.335